# KiCad board signalmesh.kicad_pcb (continued)
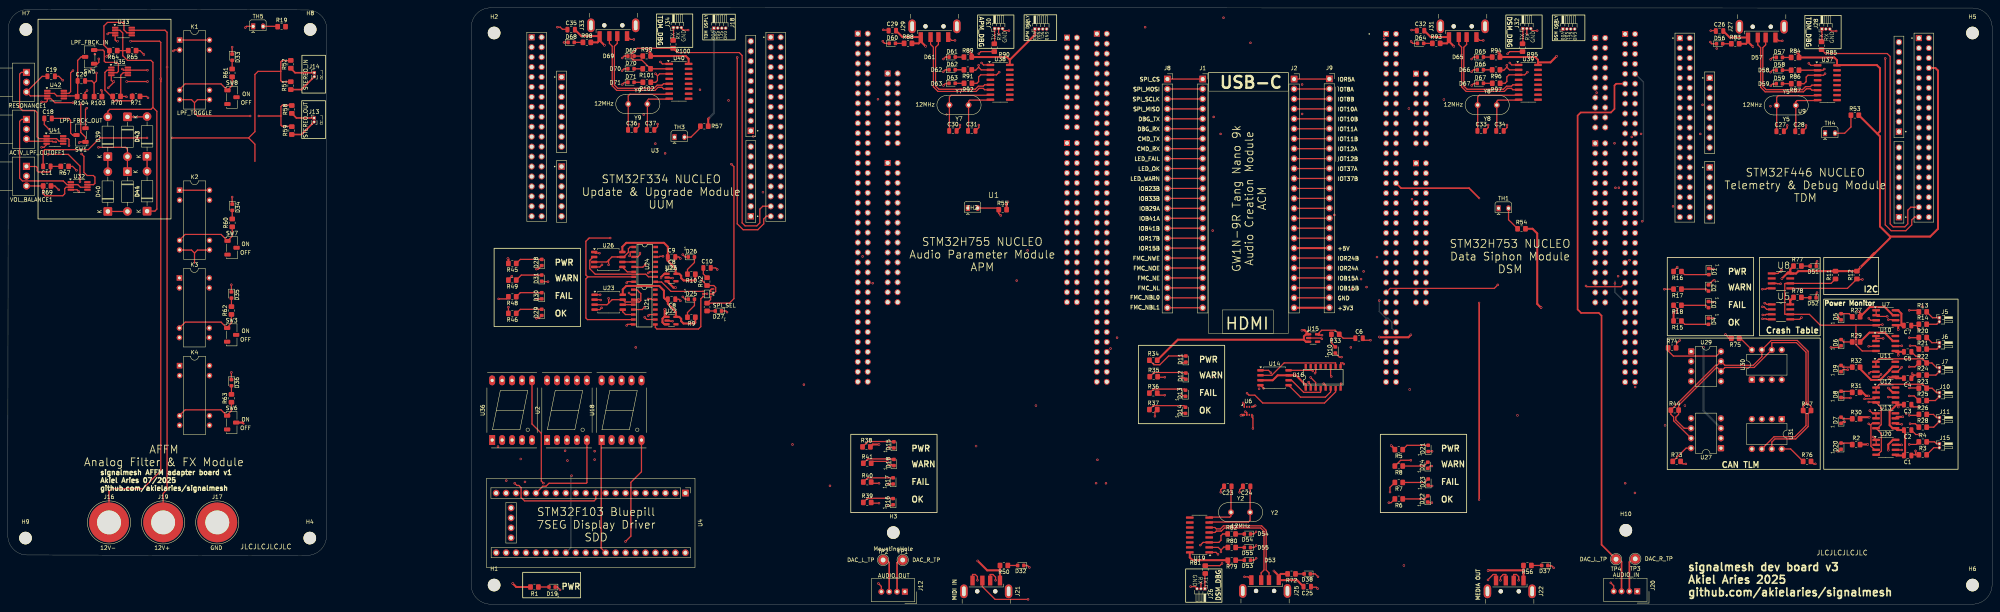
[diagram p0: board, top side]
## Routing (per net, layer and track width the routed paths; a pad name or vN(x,y) marks a point on that pad's centre or on a via; arc(x,y) is an arc through that point) (continued)
  In1.Cu w0.3: v1(277.5,30.91) 281.8,35.21 281.8,139.05 U1.CN12_6
  In2.Cu w0.3: v1(277.5,30.91) 276.68,30.08 222.96,30.08 v1(222.16,30.88)
/APM/APM_USB_D+: length 152.4
  Top w0.3: v1(260.17,1.23) 251.75,1.23 248.5,4.48 J21.3
  In1.Cu w0.3: v1(260.17,1.23) 275.39,16.44 275.39,104.25 277.46,106.32 277.94,106.32 278.81,107.19 278.81,129.02 U1.CN12_14
/APM/APM_USB_D-: length 143.2
  Top w0.3: v1(251.87,6.1) 251.87,6.9 251.19,7.58 250.5,7.58 J21.2
  In1.Cu w0.3: v1(251.87,6.1) 263.2,17.42 263.2,107.33 269.83,113.96 270.31,113.96 271.51,115.16 271.51,118.32 273.7,120.51 273.7,125.41 277.47,129.18 278,129.18 279.13,130.31 279.13,131.88 U1.CN12_12
/APM_CAN_RD: length 229.4
  In1.Cu w0.3: v1(282.86,68.06) 282.86,142.07 280.66,144.26 278.81,144.26 U1.CN12_3
  In2.Cu w0.3: v1(282.86,68.06) 285.95,64.97 344.11,64.97 345.79,63.28 427.99,63.28 U29.1
/APM_CAN_TD: length 228.7
  In1.Cu w0.3: v1(281.19,65.29) 281.3,65.4 281.3,133.43 280.31,134.43 279.79,134.43 278.9,135.31 278.9,139.41 U1.CN12_5
  In2.Cu w0.3: U29.4 425.62,60.55 285.93,60.55 v1(281.19,65.29)
/APM_DAC_OUT_L: length 176.5
  Top w0.4: J12.2 226.75,10.58 227.45,11.28 TP1.1 ; R51.1 74.85,131.43 J14.2
  In1.Cu w0.4: TP1.1 228.2,113.88 v3(239.38,125.06)
  In2.Cu w0.4: v3(239.38,125.06) 245.05,130.73 275.43,130.73 U1.CN12_11
/APM_DAC_OUT_R: length 115.4
  Top w0.4: TP2.1 224.1,11.28 224.75,10.63 J12.3 ; 72.15,136.83 73.25,135.73 J14.1
  In1.Cu w0.4: TP2.1 223.2,103.69 U1.CN11_32
  In2.Cu w0.4: 220.48,106.41 U1.CN11_32
/APM_DBG_RX: length 58.1
  Top w0.3: v1(252.65,145.63) J30.2 ; R92.1 247.1,133.03 247.55,133.48 247.55,134.65 248.09,135.19 U38.3 252.11,135.19 v1(252.8,135.88)
  In1.Cu w0.3: v1(252.8,135.88) 252.8,145.48 v1(252.65,145.63)
  In2.Cu w0.3: 247.9,141.73 223.05,141.73 222.89,141.89 222.89,141.92 ; 247.9,141.73 247.93,141.76 ; 247.9,141.73 247.93,141.76 ; 247.93,141.76 248.8,142.63 248.8,144.63 249.3,145.13 252.15,145.13 v1(252.65,145.63) ; 220.46,143.13 219.32,143.13 U1.CN11_4 ; 220.46,143.13 219.25,143.13 ; 220.46,143.13 221.68,143.13 222.89,141.92 ; 222.89,141.92 222.97,141.84
/APM_DBG_TX: length 47.9
  Top w0.3: 250.53,136.48 U38.2 248.22,136.46 247.55,137.13 ; 247.55,137.13 v1(247.55,137.63) ; 247.55,137.13 246.8,136.38 245.9,136.38 R91.1 246.07,136.76 ; v1(247.6,140.58) 248.16,141.13 R90.2
  In1.Cu w0.3: v1(247.6,140.58) 247.6,137.68 v1(247.55,137.63)
  In2.Cu w0.3: v1(247.55,137.63) 247.05,138.13 235.05,138.13 234.55,138.63 234.55,140.38 234.2,140.73 221.05,140.73 221.05,140.76 219.97,141.84 217.47,141.84 216.74,142.57 U1.CN11_3
/CAN+: length 87.2
  Top w0.3: U27.7 424.79,46.84 424.79,47.79 424.06,48.51 R44.1 435.5,61.01 435.88,61.01 U29.7 437.87,61.01 445.09,61.01 447.28,63.2 U30.7 449.67,67.36 456.31,67.36 459.09,64.59 459.09,51.24 459.81,50.51 R47.2 459.81,49.36 459.09,48.64 459.09,45.38 455.91,42.21 450.62,42.21 449.82,41.4 U31.7
/CAN-: length 83.9
  Top w0.3: U27.6 427.48,44.92 425.33,47.06 425.33,47.79 426.06,48.51 R44.2 426.06,50.78 435.73,60.46 435.88,60.46 U29.6 437.87,60.46 445.31,60.46 U30.6 449.82,66.72 449.9,66.81 456.09,66.81 458.53,64.36 458.53,51.24 457.81,50.51 R47.1 457.81,49.36 458.53,48.64 458.53,45.61 455.69,42.76 450.39,42.76 U31.6
/DSM/DSM_I2C1_SCL: length 113.1
  In1.Cu w0.3: v1(351.01,144.4) 349.26,142.65 349.26,106.14 349.97,105.43 349.97,83.63 U17.CN11_51
  In2.Cu w0.3: v1(351.01,144.4) 350.9,144.4 v1(351.01,144.4) ; v1(351.01,144.4) 351.19,144.59 376.27,144.59 377.94,146.25 388.58,146.25 389,145.83 397.55,145.83 398.55,146.83 J3.3
/DSM/DSM_I2C1_SDA: length 101.9
  Top w0.3: U17.CN11_53 352.52,80.66 379.05,80.66 v1(379.95,81.56)
  In1.Cu w0.3: J3.2 397.55,140.24 383.52,126.21 383.52,85.12 v1(379.95,81.56)
/DSM/DSM_LED_FAIL: length 130.6
  Top w0.3: v1(357.78,36.75) 355.17,36.75 R8.2
  In1.Cu w0.3: v1(357.78,36.75) 358.49,37.46 358.49,76.16 358.02,76.62 358.02,103.39 v1(358.07,103.43)
  In2.Cu w0.3: v1(358.07,103.43) 358.57,103.94 369.87,103.94 372,106.06 409.36,106.06 409.68,105.74 411.06,105.74 411.39,106.06 413.88,106.06 U17.CN12_34
/DSM/DSM_LED_OK: length 183.6
  Top w0.3: v1(352.16,25.92) 352.74,25.92 R6.2
  In1.Cu w0.3: v1(414.92,28.4) 418.75,32.22 418.75,139.3 U17.CN12_4
  In2.Cu w0.3: v1(414.92,28.4) 354.64,28.4 v1(352.16,25.92)
/DSM/DSM_LED_WARN: length 177.3
  Top w0.3: v1(352.46,28.63) 352.46,29.84 R7.2
  In1.Cu w0.3: v1(412.43,30.88) 418.29,36.75 418.29,137.21 U17.CN12_6
  In2.Cu w0.3: v1(352.46,28.63) 354.71,30.88 v1(412.43,30.88)
/DSM/DSM_USB_D+: length 152.4
  Top w0.3: v1(380.63,6.1) 380.63,6.9 381.31,7.58 382,7.58 J22.3
  In1.Cu w0.3: v1(380.63,6.1) 394.07,19.55 394.07,122.7 404.38,133.01 408.6,133.01 410.07,131.54 413.81,131.54 U17.CN12_14
/DSM/DSM_USB_D-: length 147.6
  Top w0.3: v1(385.25,6.1) 385.25,7.04 ; v1(385.25,6.1) 385.25,7.04 ; v1(385.25,6.1) 385.25,7.04 ; 385.25,7.04 384.7,7.58 384,7.58 J22.2
  In1.Cu w0.3: v1(385.25,6.1) 411.2,32.05 411.2,79.96 412.31,81.07 412.86,81.07 413.69,81.9 413.69,84.91 414.55,85.77 415.09,85.77 417.39,88.07 417.39,130.49 U17.CN12_12
/DSM_CAN_RD: length 113
  In1.Cu w0.3: U30.1 444.74,60.14 435.78,69.1 v1(435.78,141.91)
  In2.Cu w0.3: U17.CN12_3 413.49,142.01 423.4,142.01 424.49,143.1 433.66,143.1 434.85,141.91 v1(435.78,141.91)
/DSM_CAN_TD: length 128.3
  In1.Cu w0.3: v1(414.97,55.45) 415.24,55.45 417.84,58.06 417.84,134.13 415.31,136.66 414.65,136.66 413.77,137.53 413.77,139.19 U17.CN12_5
  In2.Cu w0.3: v1(414.97,55.45) 440.47,55.45 443.62,58.6 451.1,58.6 U30.4
/DSM_DAC_IN_L: length 154.6
  Top w0.4: R58.1 73.57,124.18 J13.1 ; 410.15,11.46 410.85,11.46 411.5,10.81 411.5,3.36 ; U17.CN12_11 410.14,132.92 409.7,132.48 409.7,126.48 408.8,125.58 401.1,125.58 400.3,124.78 400.3,75.28 401.2,74.38 405.7,74.38 406.4,73.68 406.4,15.18 TP4.1
  In2.Cu w0.4: U17.CN12_11 412.15,133.2
/DSM_DAC_IN_R: length 177.6
  Top w0.4: J13.2 74.88,119.96 R59.1 ; 414.95,11.46 414.2,11.46 413.5,10.76 413.5,3.36 ; v3(375.2,26.68) v3(375.2,76.98) ; U17.CN11_32 355.29,106.25 372.63,106.25 v3(375.2,103.68)
  In1.Cu w0.4: v3(375.2,76.98) v3(375.2,103.68)
  In2.Cu w0.4: TP3.1 418.1,11.58 418.9,12.38 418.9,25.58 418.3,26.18 375.7,26.18 v3(375.2,26.68)
/DSM_DBG_RX: length 58.1
  Top w0.3: v1(387.5,135.88) 386.81,135.19 U39.3 382.79,135.19 382.25,134.65 382.25,133.48 381.8,133.03 R97.1 ; v1(387.35,145.63) J32.2
  In1.Cu w0.3: v1(387.5,135.88) 387.5,145.48 v1(387.35,145.63)
  In2.Cu w0.3: 382.62,141.76 383.5,142.63 383.5,144.63 384,145.13 386.85,145.13 v1(387.35,145.63) ; 382.62,141.76 382.6,141.73 ; 382.62,141.76 382.6,141.73 ; 382.6,141.73 357.75,141.73 357.59,141.89 ; 353.98,143.07 355.19,143.07 ; 355.19,143.07 356.41,143.07 357.59,141.89 ; 355.19,143.07 354.03,143.07 U17.CN11_4 ; 357.59,141.89 357.7,141.78
/DSM_DBG_TX: length 47.8
  Top w0.3: 380.77,136.76 R96.1 380.6,136.38 381.5,136.38 382.25,137.13 ; 382.25,137.13 v1(382.25,137.63) ; 382.25,137.13 382.92,136.46 U39.2 385.23,136.48 ; v1(382.45,140.58) 383.01,141.13 R95.2
  In1.Cu w0.3: v1(382.45,140.58) 382.25,140.38 v1(382.25,137.63)
  In2.Cu w0.3: v1(382.25,137.63) 381.75,138.13 369.75,138.13 369.25,138.63 369.25,140.38 368.9,140.73 355.75,140.73 354.7,141.78 352.2,141.78 351.44,142.54 351.44,143.08 U17.CN11_3
/FMC_CLK: length 61
  Top w0.3: J1.18 J8.18
  In2.Cu w0.3: J1.18 308.48,94.73 343.36,94.73 344.74,96.11 352.73,96.11 U17.CN11_40
/FMC_D0: length 124.5
  Top w0.3: J2.1 336.96,134.12 J9.1
  In1.Cu w0.3: v1(405.16,130.66) 406.28,129.53 406.28,128.93 407.1,128.12 407.73,128.12 411.81,124.03 412.65,124.03 413.49,123.2 413.49,91.21 U17.CN12_46
  In2.Cu w0.3: v1(405.16,130.66) 367.47,130.66 363.96,134.16 J9.1
/FMC_D1: length 123.5
  Top w0.3: J2.2 336.96,131.58 J9.2
  In1.Cu w0.3: J9.2 348.69,119.93 348.69,89.11 v1(349.15,88.65)
  In2.Cu w0.3: v1(349.15,88.65) 413.58,88.65 414.96,87.28 U17.CN12_48
/FMC_D2: length 71
  Top w0.3: J9.3 336.96,129.04 J2.3
  In1.Cu w0.3: U17.CN11_57 342.52,83.46 342.52,99.79 337.24,105.07 336.52,105.07 335.8,105.79 335.8,127.89 J9.3
/FMC_D3: length 64.5
  Top w0.3: J2.4 336.96,126.5 J9.4
  In1.Cu w0.3: U17.CN11_55 347.78,80.74 347.78,115.76 J9.4
/FMC_D4: length 119.1
  Top w0.3: J9.5 336.96,123.96 J2.5
  In1.Cu w0.3: v1(416.48,120.1) 416.48,98.34 416.19,98.05 416.19,93.51 U17.CN12_44
  In2.Cu w0.3: v1(416.48,120.1) 416.48,120.22 415.41,121.29 411.83,121.29 411.23,120.69 404.38,120.69 401.07,124 J9.5
/FMC_D5: length 110.8
  Top w0.3: J9.6 336.96,121.42 J2.6
  In1.Cu w0.3: v1(414.11,119.33) 414.36,119.08 415.09,119.08 416.03,118.14 416.03,98.53 414.96,97.46 U17.CN12_40
  In2.Cu w0.3: J9.6 400.8,121.46 402.64,119.62 411.03,119.62 411.51,119.14 413.92,119.14 v1(414.11,119.33)
/FMC_D6: length 128.2
  Top w0.3: J9.7 336.96,118.88 J2.7
  In1.Cu w0.3: v1(409.71,117.72) 409.22,117.23 409.22,81.61 409.57,81.26 410.06,81.26 410.63,81.83 v1(410.63,83.77) ; v1(410.63,83.77) 410.79,83.61 v1(410.63,83.77)
  In2.Cu w0.3: 410.79,83.61 v1(410.63,83.77) ; 410.79,83.61 v1(410.63,83.77) ; 410.79,83.61 v1(410.63,83.77) ; 410.79,83.61 413.48,83.61 U17.CN12_52 ; v1(409.71,117.72) 408.51,118.92 J9.7
/FMC_D7: length 107.8
  Top w0.3: J9.8 336.96,116.34 J2.8
  In1.Cu w0.3: U17.CN12_47 410.82,88.81 v1(410.82,106.34)
  In2.Cu w0.3: J9.8 342.03,111.35 407.58,111.35 410.82,108.12 v1(410.82,106.34)
/FMC_D8: length 118.6
  Top w0.3: J2.9 336.96,113.8 J9.9
  In1.Cu w0.3: v1(346.48,80.99) 346.48,80.99 v1(346.48,80.99) ; v1(346.48,80.99) 346.48,104.36 J9.9
  In2.Cu w0.3: v1(346.48,80.99) 346.48,80.99 v1(346.48,80.99) ; v1(346.48,80.99) 348.58,80.99 351.02,78.55 362.06,78.55 364.01,80.5 380.39,80.5 380.56,80.67 412.85,80.67 413.69,79.83 413.69,78.31 U17.CN12_56
/FMC_D9: length 107.4
  Top w0.3: J2.10 336.96,111.26 J9.10
  In1.Cu w0.3: v1(345.73,85) 345.86,84.87 v1(345.73,85) ; v1(345.73,85) 345.73,102.58 J9.10
  In2.Cu w0.3: v1(345.73,85) 347.12,83.61 408.78,83.61 409.83,84.66 U17.CN12_49 ; v1(345.73,85) 345.86,84.87 v1(345.73,85)
/FMC_D10: length 115.1
  Top w0.3: J9.11 336.96,108.72 J2.11
  In1.Cu w0.3: v1(409.93,106.34) 409.93,106.46 v1(409.93,106.34) ; v1(409.93,106.34) 409.93,82.61 409.82,82.49 409.82,81.91 v1(409.82,81.91)
  In2.Cu w0.3: 409.93,106.46 407.63,108.76 J9.11 ; 409.93,106.46 v1(409.93,106.34) ; 409.93,106.46 v1(409.93,106.34) ; 409.93,106.46 v1(409.93,106.34)
  Bottom w0.3: U17.CN12_55 409.82,79.65 409.82,82.49 409.82,81.91 v1(409.82,81.91)
/FMC_D11: length 104.4
  Top w0.3: v1(402.43,81.27) 402.62,81.09 411.38,81.09 U17.CN12_51 ; J9.12 336.96,106.18 J2.12
  In1.Cu w0.3: v1(345.07,83.03) 345.07,98.15 J9.12
  In2.Cu w0.3: v1(345.07,83.03) 348.82,83.03 350.89,80.96 380.2,80.96 380.52,81.27 v1(402.43,81.27)
/FMC_D12: length 108.3
  Top w0.3: J9.13 336.96,103.64 J2.13
  In1.Cu w0.3: J9.13 342.07,98.61 342.07,81.13 v1(342.75,80.45)
  In2.Cu w0.3: U17.CN12_53 411.2,78.36 364.41,78.36 362.06,76.01 351.02,76.01 350.4,76.62 350.4,77.74 349.65,78.49 344.71,78.49 v1(342.75,80.45)
/FMC_D13: length 129.1
  Top w0.3: J2.14 336.96,101.1 J9.14
  In1.Cu w0.3: v1(338.25,99.41) 338.25,99.89 J9.14
  In2.Cu w0.3: v1(338.25,99.41) 339.03,98.63 415.96,98.63 v1(416.79,97.8)
  Bottom w0.3: v1(416.79,97.8) 417.1,98.11 417.1,133.33 U17.CN12_10
/FMC_D14: length 54.3
  Top w0.3: J9.15 336.96,98.56 J2.15
  In1.Cu w0.3: U17.CN11_69 341.51,69.24 341.51,94.1 J9.15
/FMC_D15: length 112.2
  Top w0.3: J2.16 336.96,96.02 J9.16
  In1.Cu w0.3: J9.16 338.5,94.56 338.5,69.55 v1(342.47,65.58)
  In2.Cu w0.3: U17.CN12_65 411.18,65.58 v1(342.47,65.58)
/FMC_NBL0: length 124.3
  Top w0.3: J1.23 J8.23
  In2.Cu w0.3: J1.23 308.48,74.45 347.09,74.45 350.67,70.87 351.53,70.87 352.73,69.67 352.73,69.18 353.82,68.1 413.74,68.1 U17.CN12_64
/FMC_NBL1: length 58.4
  Top w0.3: J1.24 J8.24
  In2.Cu w0.3: U17.CN11_61 351.2,69.44 349.07,71.57 308.83,71.57 J1.24
/FMC_NE: length 157.2
  Top w0.3: J1.21 J8.21
  In1.Cu w0.3: v1(413.53,87.86) 413.07,88.31 412.26,88.31 411.32,89.25 411.32,105.99 411.42,106.09 411.42,106.59 411.32,106.69 411.32,121.66 U17.CN12_19
  In2.Cu w0.3: J1.21 305.96,84.59 339.58,84.59 340.98,85.99 412.72,85.99 413.53,86.81 v1(413.53,87.86)
/FMC_NL: length 92.5
  Top w0.3: J1.22 J8.22
  In1.Cu w0.3: v1(309.27,120.1) 309.27,85.36 J1.22
  In2.Cu w0.3: v1(309.27,120.1) 309.4,120.24 U17.CN11_21
/FMC_NOE: length 64.6
  Top w0.3: J1.20 J8.20
  In1.Cu w0.3: v1(307.24,95.42) 307.24,88.41 J1.20
  In2.Cu w0.3: U17.CN11_39 309.2,97.38 v1(307.24,95.42)
/FMC_NWE: length 58.4
  Top w0.3: J1.19 J8.19
  In2.Cu w0.3: J1.19 308.61,92.32 348.94,92.32 U17.CN11_41
/IRQ0: length 161.9
  In1.Cu w0.3: U1.CN11_62 220.54,70.77 v1(220.54,81.98)
  In2.Cu w0.3: v1(220.54,81.98) 219.72,81.16 218.84,81.16 218.22,81.77 218.22,82.25 216.78,83.7 216.3,83.7 215.68,84.31 215.68,87.73 216.3,88.35 217.57,88.35 218.22,87.7 218.22,86.85 218.84,86.24 227.34,86.24 229.45,88.35 288.3,88.35 289.42,87.22 U17.CN11_47
/ISR0: length 148.1
  In2.Cu w0.3: U1.CN11_47 218.22,85.81 218.22,84.31 218.84,83.7 257.2,83.7 259.96,80.94 282.31,80.94 283.74,79.51 339.48,79.51 341.45,77.54 v1(349.72,77.54)
  Bottom w0.3: U17.CN11_62 352.94,70.5 352.94,72.03 351.93,73.04 351.43,73.04 349.72,74.75 v1(349.72,77.54)
/TDM/7SDD_VDD: length 12.3
  Top w0.5: R2.2 472.36,40.8 v2(474.28,40.8) ; v2(482.96,40.67) 482.94,40.69 U20.7
  In2.Cu w0.5: v2(474.28,40.8) 474.41,40.67 v2(482.96,40.67)
/TDM/ACM_VDD: length 10.9
  Top w0.5: R29.2 474.71,69.35 478.56,69.35 480.7,67.21 U10.7
/TDM/APM_VDD: length 13.2
  Top w0.5: v2(483.24,47.85) 481.72,47.85 U13.7 ; R30.2 472.73,47.75 v2(474.65,47.75)
  In2.Cu w0.5: v2(483.24,47.85) 474.75,47.85 v2(474.65,47.75)
/TDM/DSM_VDD: length 12
  Top w0.5: U11.7 480.66,60.63 479.83,59.8 479.83,59.66 477.45,57.28 475.16,57.28 472.33,60.11 R32.2
/TDM/TDM_I2C1_SCL: length 565.3
  Top w0.3: 471.28,71.25 471.28,66.26 472.87,64.67 U10.4 ; 471.28,71.25 U7.4 476.59,71.41 v1(478.02,71.41) ; 471.28,71.25 462.18,71.25 459.41,74.02 U5.6 453.23,74.02 453.13,74.13 453.13,81.82 453.23,81.93 U8.6 464.92,81.93 R11.1 ; v1(318.09,50.71) 318.03,50.71 317.73,50.4 U6.4 ; v1(474.53,51.63) 476.3,51.63 U12.4 477.71,50.22 477.71,45.84 476.81,44.94 U13.4 477.74,43.59 477.74,39.1 476.79,38.15 U20.4 ; v1(477.68,58.69) 477.08,58.09 U11.4
  In1.Cu w0.3: v1(318.09,50.71) 319.08,51.7 v1(319.08,55.01) 319.08,141.17 v1(316.88,143.38) ; v1(474.53,51.63) 477.68,54.77 v1(477.68,58.69) 477.63,58.74 477.63,71.02 v1(478.02,71.41) 478.02,74.99 485.25,82.23 485.25,136.56 486.99,138.29 487.71,138.29 488.4,138.99 488.4,140.95 U9.CN10_3
  In2.Cu w0.3: J18.3 182.05,147.15 185.06,150.16 288.25,150.16 295.03,143.38 v1(316.88,143.38) ; v1(319.08,55.01) 320.96,53.13 432.49,53.13 433.99,51.63 v1(474.53,51.63)
/TDM/TDM_I2C1_SDA: length 559.8
  Top w0.3: v1(474.54,73.01) 475.04,72.52 U7.3 ; v1(474.52,65.85) 476.29,65.85 U10.3 ; U6.5 317.25,47.8 317.5,47.55 v1(317.5,44.89) ; v1(473.46,52.44) 476.07,52.44 U12.3 ; v1(457.39,73.2) 456.95,72.75 U5.5 ; U11.3 475.03,59.36 v1(474.62,58.96) ; 475.09,45.86 475.44,46.21 476.39,46.21 ; 475.09,45.86 475.09,40.37 476.04,39.42 U20.3 ; 475.09,45.86 474.74,45.86 v1(474.52,46.07) ; U8.5 469.12,80.66 R12.1 471.65,82.93 v1(472.93,82.93)
  In1.Cu w0.3: 474.52,58.96 v1(474.52,65.85) 474.52,72.99 v1(474.54,73.01) 472.93,74.63 v1(472.93,82.93) 473.14,83.15 473.14,120.8 481.92,129.58 482.54,129.58 483.56,130.61 483.56,135.74 U9.CN10_5 ; 474.52,58.96 v1(474.62,58.96) ; 474.52,58.96 473.74,58.18 473.74,52.44 ; 473.74,52.44 473.74,46.86 v1(474.52,46.07) ; 473.74,52.44 v1(473.46,52.44) ; v1(310,149.78) 310,149.14 316.76,142.38 316.76,45.62 v1(317.5,44.89)
  In2.Cu w0.3: v1(310,149.78) 309.17,150.61 184.46,150.61 181.05,147.2 J18.2 ; v1(457.39,73.2) 457.91,72.68 474.21,72.68 v1(474.54,73.01) ; v1(317.5,44.89) 426.62,44.89 427.9,46.16 438.16,46.16 438.36,45.96 474.42,45.96 v1(474.52,46.07)
/TDM/TDM_LED_FAIL: length 131.4
  Top w0.3: R18.2 425.67,75.42 v1(425.67,74.47)
  In1.Cu w0.3: v1(488.21,75.99) 488.59,76.37 488.59,138.22 U9.CN10_6
  In2.Cu w0.3: v1(488.21,75.99) 480.91,75.99 477.15,72.23 427.91,72.23 v1(425.67,74.47)
/TDM/TDM_LED_OK: length 102.7
  Top w0.3: R16.2 424.77,85.16 v1(425.71,86.1)
  In1.Cu w0.3: v1(425.71,86.1) 432.19,92.58 432.19,127.52 v1(432.17,127.54)
  In2.Cu w0.3: U9.CN10_11 487.2,132 453.78,132 450.01,128.23 432.86,128.23 v1(432.17,127.54)
/TDM/TDM_LED_WARN: length 90.6
  Top w0.3: v1(422.42,80.45) 424.76,80.45 R17.2
  In1.Cu w0.3: v1(422.42,80.45) 424.63,82.66 v1(424.63,101.61)
  In2.Cu w0.3: v1(424.63,101.61) 425.68,102.66 488.59,102.66 U9.CN10_34
/TDM/UUM_VDD: length 12.1
  Top w0.5: 473.85,53.19 472.95,54.09 R31.2 ; 473.85,53.19 v2(474.53,53.19) ; 473.85,53.19 v2(474.53,53.19) ; 473.85,53.19 v2(474.53,53.19) ; U12.7 480.67,54.06 v2(479.51,55.22)
  In2.Cu w0.5: v2(474.53,53.19) 476.56,55.22 v2(479.51,55.22)
/TDM_CAN_RD: length 116.3
  In1.Cu w0.3: v1(484.1,48.66) 490.96,55.53 490.96,128.23 U9.CN10_14
  In2.Cu w0.3: U31.1 453.76,48.66 v1(484.1,48.66)
/TDM_CAN_TD: length 124.9
  In1.Cu w0.3: v1(449.48,127.19) 446.08,123.79 446.08,48.6 U31.4
  In2.Cu w0.3: v1(449.48,127.19) 450.34,126.33 456.38,126.33 459.63,129.58 483.71,129.58 484.89,130.76 488.75,130.76 U9.CN10_12
/TDM_DBG_RX: length 90.9
  Top w0.3: R87.1 458.05,132.93 458.5,133.38 458.58,133.46 458.58,134.63 459.04,135.09 U37.3 463.01,135.09 v1(463.4,135.48) ; U9.CN10_37 486.22,98.85 485.5,98.13 485.5,96.88 484,95.38 480.25,95.38 478.75,96.88 v1(478.75,139.38)
  In1.Cu w0.3: J28.2 463.75,146.75 463.75,142.13 464.25,141.63 464.95,141.63 ; 464.95,141.63 465,141.63 ; 464.95,141.63 464.4,141.08 464.4,136.48 v1(463.4,135.48) ; 464.95,141.63 465,141.63 ; 465,141.63 478,141.63 478.75,140.88 v1(478.75,139.38)
/TDM_DBG_TX: length 83.6
  Top w0.3: v1(463.2,136.68) 462.88,136.36 U37.2 461.48,136.38 R86.1 ; U9.CN10_35 485.26,101.39 484.5,100.63 484.5,97.13 483.75,96.38 480.75,96.38 480,97.13 480,139.88 479.25,140.63 463.5,140.63 ; v1(463.6,140.68) 463.55,140.68 463.5,140.63 ; 463.5,140.63 R85.2
  In1.Cu w0.3: v1(463.2,136.68) 463.6,137.08 v1(463.6,140.68)
/USB_debug_ACM/D+: length 28.3
  Top w0.3: 307.02,18.31 U19.5 307.81,18.31 308.17,18.67 309.43,18.67 310.21,19.46 319.49,19.46 320.32,18.62 320.32,8.73 319.6,8.01 J25.3
/USB_debug_ACM/D-: length 29.2
  Top w0.3: J25.2 321.6,8.01 320.88,8.73 320.88,18.85 319.71,20.01 309.99,20.01 309.2,19.22 308.17,19.22 307.81,19.58 U19.6 307.02,19.58
/USB_debug_ACM/DBG_TX: length 3.9
  Top w0.3: J26.1 305.25,7.73 R81.1
/USB_debug_APM/D+: length 28.3
  Top w0.3: 249.88,132.65 U38.5 249.09,132.65 248.73,132.29 247.47,132.29 246.69,131.51 237.41,131.51 236.57,132.35 236.57,142.23 237.3,142.96 J29.3
/USB_debug_APM/D-: length 29.2
  Top w0.3: 249.88,131.38 U38.6 249.88,131.38 ; 249.88,131.38 249.09,131.38 248.73,131.74 247.7,131.74 246.91,130.96 237.19,130.96 236.02,132.12 236.02,142.23 235.3,142.96 J29.2
/USB_debug_APM/DBG_TX: length 3.9
  Top w0.3: J30.1 251.65,143.23 R90.1
/USB_debug_DSM/D+: length 28.3
  Top w0.3: 384.57,132.65 383.79,132.65 383.43,132.29 382.17,132.29 381.39,131.51 372.11,131.51 371.27,132.35 371.27,142.23 372,142.96 J31.3 ; 384.57,132.65 U39.5 384.57,132.65
/USB_debug_DSM/D-: length 29.2
  Top w0.3: J31.2 370,142.96 370.73,142.23 370.73,132.12 371.89,130.96 381.61,130.96 382.4,131.74 383.43,131.74 383.79,131.38 U39.6 384.57,131.38
/USB_debug_DSM/DBG_TX: length 3.9
  Top w0.3: R95.1 386.35,143.23 J32.1
/USB_debug_TDM/D+: length 28.3
  Top w0.3: J27.3 448.25,142.86 447.52,142.13 447.52,132.25 448.36,131.41 457.64,131.41 458.42,132.19 459.68,132.19 460.04,132.55 U37.5 460.83,132.55
/USB_debug_TDM/D-: length 29.2
  Top w0.3: J27.2 446.25,142.86 446.98,142.13 446.98,132.02 448.14,130.86 457.86,130.86 458.65,131.64 459.68,131.64 460.04,131.28 U37.6 460.83,131.28
/USB_debug_TDM/DBG_TX: length 3.3
  Top w0.3: J28.1 462.6,143.73 R85.1
/USB_debug_UUM/D+: length 28.3
  Top w0.3: J33.3 155.4,143.21 154.68,142.49 154.68,132.6 155.51,131.76 164.79,131.76 165.57,132.55 166.83,132.55 167.19,132.91 167.97,132.91 ; 167.97,132.91 U40.5 167.97,132.91
/USB_debug_UUM/D-: length 29.2
  Top w0.3: 167.97,131.64 U40.6 167.97,131.64 ; 167.97,131.64 167.19,131.64 166.83,132 165.8,132 165.01,131.21 155.29,131.21 154.12,132.37 154.12,142.49 153.4,143.21 J33.2
/USB_debug_UUM/DBG_TX: length 3.3
  Top w0.3: J34.1 169.75,144.09 R100.1
/UUM/UUM_LED_FAIL: length 19.8
  Top w0.3: R49.2 127.64,82.89 v1(128.51,83.76)
  In1.Cu w0.3: v1(128.51,83.76) 136.12,91.37 U3.CN7_38
/UUM/UUM_LED_OK: length 29.8
  Top w0.3: v1(127.64,75.85) R46.2
  In1.Cu w0.3: U3.CN7_35 128.29,96.32 128.29,87.81 127.64,87.17 v1(127.64,75.85)
/UUM/UUM_LED_WARN: length 37.6
  Top w0.3: v1(125.15,77.97) 127.1,77.97 R48.2
  In1.Cu w0.3: U3.CN7_36 137.19,100.54 137.19,84.52 127.91,75.23 127.37,75.23 125.15,77.46 v1(125.15,77.97)
/UUM/UUM_SPI1_CS: length 69.6
  Top w0.3: 160.1,77.68 159.61,77.68 U21.3 ; 160.1,77.68 159.59,77.68 ; 160.1,77.68 160.6,77.68 v1(160.79,77.88)
  In1.Cu w0.3: v1(160.79,77.88) 161,78.08 161,87.28 162.2,88.48 162.2,93.28 167.61,98.69 v1(167.61,115.15)
  In2.Cu w0.3: v1(167.61,115.15) 168.05,115.58 193.27,115.58 U3.CN10_23
/UUM/UUM_SPI1_MISO: length 63.1
  Top w0.3: v1(179.87,80.48) 179.4,80.48 179.21,80.29 U28.6
  In1.Cu w0.3: v1(179.87,80.48) 181.2,80.48 183.2,82.48 183.2,128.08 v1(183.78,128.66)
  In2.Cu w0.3: U3.CN10_13 194.29,129.8 184.92,129.8 v1(183.78,128.66)
/UUM/UUM_SPI1_MOSI: length 118.9
  Top w0.3: 147.88,83.61 147.88,83.56 147.4,83.08 147.4,73.08 147.8,72.68 159.48,72.68 U21.7 ; 147.88,83.61 159.6,83.61 ; 147.88,83.61 147.4,84.08 147.4,92.68 148.23,93.51 v1(153.61,93.51)
  In1.Cu w0.3: v1(153.61,93.51) 162.15,102.05 v1(162.15,125.06)
  In2.Cu w0.3: v1(162.15,125.06) 164.23,127.14 194.42,127.14 U3.CN10_15
/UUM/UUM_SPI1_SCLK: length 86.4
  Top w0.3: v1(162.56,86.72) 161.93,86.08 159.66,86.08 U24.5 ; U21.5 161.76,75.25 v1(162.4,75.88)
  In1.Cu w0.3: v1(162.4,75.88) 162.56,76.05 v1(162.56,86.72) 163.2,87.35 163.2,90.32 175.47,102.58 175.47,130.35 v1(176.5,131.38)
  In2.Cu w0.3: v1(176.5,131.38) 177.61,132.5 194.14,132.5 U3.CN10_11
/UUM/UUM_SPI2_CS: length 63.3
  Top w0.3: U24.3 160.6,88.69 161.2,89.28 v1(161.2,89.68)
  In1.Cu w0.3: v1(165.11,117.63) 165.11,97.2 161.2,93.28 v1(161.2,89.68)
  In2.Cu w0.3: v1(165.11,117.63) 167.83,120.34 176.74,120.34 178.3,118.78 193.93,118.78 U3.CN10_21
/UUM/UUM_SPI_SEL: length 95.7
  Top w0.3: v1(184.5,112.38) 185.15,111.73 185.15,78.03 184,76.88 R43.1 179.21,77.78 U28.4
  In2.Cu w0.3: v1(184.5,112.38) 183.94,112.94 134.95,112.94 U3.CN7_25
/UUM/UUM_spiflash/UUM_SPI1_MISO_A: length 20.7
  Top w0.3: 165.1,71.44 165.1,70.68 165.5,70.28 176.1,70.28 176.71,70.88 176.71,77.98 U28.3
/UUM/UUM_spiflash/UUM_SPI1_MISO_B: length 13.1
  Top w0.3: U28.1 169.1,79.88 166.71,82.28 165.25,82.28 U24.9
/UUM_CAN_RD: length 344.2
  In1.Cu w0.3: v1(200.09,40.8) 193.33,47.55 193.33,141.04 U3.CN10_3
  In2.Cu w0.3: U27.1 433.22,43.49 202.78,43.49 v1(200.09,40.8)
/UUM_CAN_TD: length 324.6
  In1.Cu w0.3: U3.CN10_5 195.81,138.44 195.81,63.25 v1(203,56.07)
  In2.Cu w0.3: U27.4 432.14,52.19 206.88,52.19 v1(203,56.07)
/UUM_DBG_RX: length 92.6
  Top w0.3: R102.1 165.2,133.28 165.65,133.74 165.65,134.99 ; v1(186,139.63) 186,97.13 187.5,95.63 191.25,95.63 192.75,97.13 192.75,98.38 193.47,99.1 194.02,99.1 ; v1(165.15,135.49) 165.65,134.99 ; 165.65,134.99 165.73,134.99 166.19,135.45 U40.3 ; 194.02,99.1 194.51,99.1 U3.CN10_37 ; 194.02,99.1 194.57,99.1
  In1.Cu w0.3: 171.33,142.06 171.5,141.89 171.5,141.88 185.25,141.88 186,141.13 v1(186,139.63) ; 171.33,142.06 170.9,142.49 170.9,147.11 J34.2 ; 171.33,142.06 171.33,141.66 v1(165.15,135.49)
/UUM_DBG_TX: length 97.3
  Top w0.3: 170.33,141.3 170.33,141.3 ; 170.33,141.3 170.65,140.99 ; 170.33,141.3 R100.2 160.48,141.99 158.95,140.46 158.95,139.51 159.48,138.98 161.65,138.98 R101.1 168.63,136.74 U40.2 ; 170.33,141.3 169.75,141.88 ; 170.33,141.3 170.75,140.88 186.5,140.88 187.25,140.13 187.25,97.38 188,96.63 191,96.63 191.75,97.38 191.75,100.88 192.51,101.64 194.54,101.64 ; U3.CN10_35 194.54,101.64 ; 194.54,101.64 194.57,101.64
ACM_VDD: length 177.6
  Top w0.5: 330.5,67.55 330.5,68.39 331.03,68.92 U15.1 330.67,69.96 v2(329.99,69.96) ; 330.5,67.55 331.03,67.02 U15.3 ; 330.5,67.55 298.34,67.55 R34.2 ; C25.2 328.75,6.13 J25.1 324.1,7.23 ; R72.2 324.6,7.73 324.1,7.23 ; U19.16 301.4,11.93 302.1,11.23 R79.2 311.1,10.48 v2(311.6,9.98) ; 324.1,7.23 v2(322.85,8.48) ; J9.18 336.96,90.94 J2.18
  In1.Cu w0.5: v2(311.6,9.98) 321.35,9.98 v2(322.85,8.48) 329.99,15.62 v2(329.99,69.96) 329.99,88.95 J2.18
APM_VDD: length 516.9
  Top w0.5: 255.5,139.03 261.9,145.43 J4.1 ; 255.5,139.03 U38.16 ; 255.5,139.03 254.8,139.73 R89.2 245.8,140.48 v2(245.3,140.98) ; 253,8.64 249.74,8.64 v2(247.33,11.05) ; 253,8.64 J21.1 ; 253,8.64 R50.2 ; 232.8,143.73 J29.1 228.15,144.83 C29.2 ; 232.8,143.73 v2(234.05,142.48) ; 232.8,143.73 232.3,143.23 R88.2 ; R38.2 220.56,40.8 v2(222.16,40.8) ; 60.1,46.12 59.84,46.38 SW6.2
  In1.Cu w0.5: U29.3 427.66,57.87 v2(427.66,50.71) 422.64,45.69 ; v2(245.3,140.98) 235.55,140.98 v2(234.05,142.48) 234.05,138.32 227.47,131.74 223.8,131.74 222.74,130.68 222.74,128.69 219.45,125.39 U1.CN11_18 218.01,124.12 218.01,104.55 218.76,103.8 219.84,103.8 221.8,101.84 221.8,41.16 v2(222.16,40.8) ; v2(247.33,11.05) 247.33,39.92 246.9,40.34 v2(246.9,40.38)
  In2.Cu w0.5: 422.64,45.69 v2(427.66,50.71) ; 422.64,45.69 v2(427.66,50.71) ; 422.64,45.69 v2(427.66,50.71) ; 422.64,45.69 v2(422.6,45.69) 203.85,45.69 199.29,41.13 199.29,40.46 199.76,39.99 221.36,39.99 v2(222.16,40.8) 222.22,40.85 246.43,40.85 v2(246.9,40.38)
